# Altium PCB Microcontroller Board.PcbDoc
Units mm, origin at the board's own origin, x right, y up, seen from the top; angles counter-clockwise.
Board outline 32 x 84 mm, 4 copper layers (Top Layer, GND, +3V3, Bottom Layer), stack 1.525 mm thick; 61 components, 53 nets, 253 pads, 253 vias.
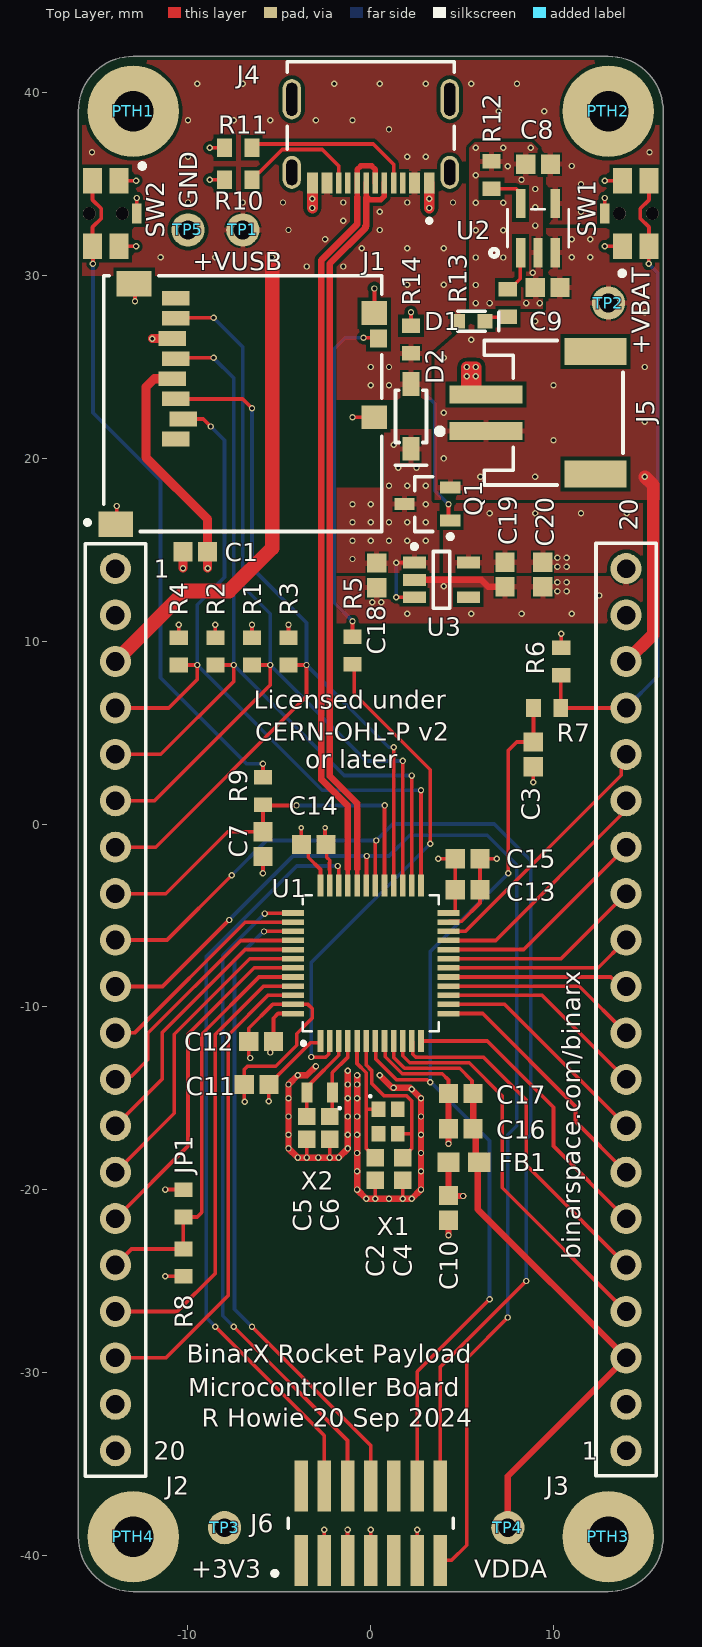
[diagram p0: Top Layer view]
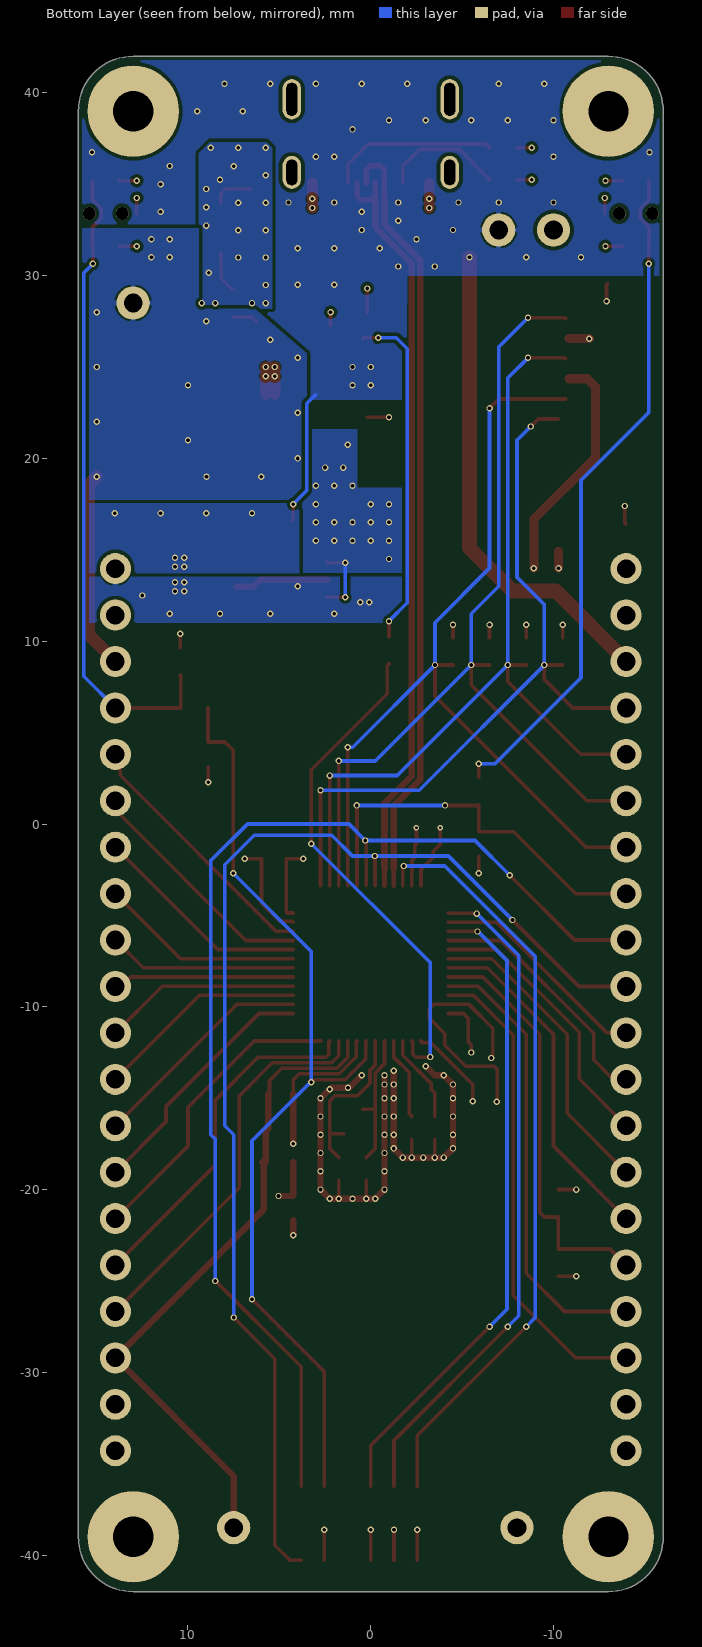
[diagram p1: Bottom Layer view, seen from below]
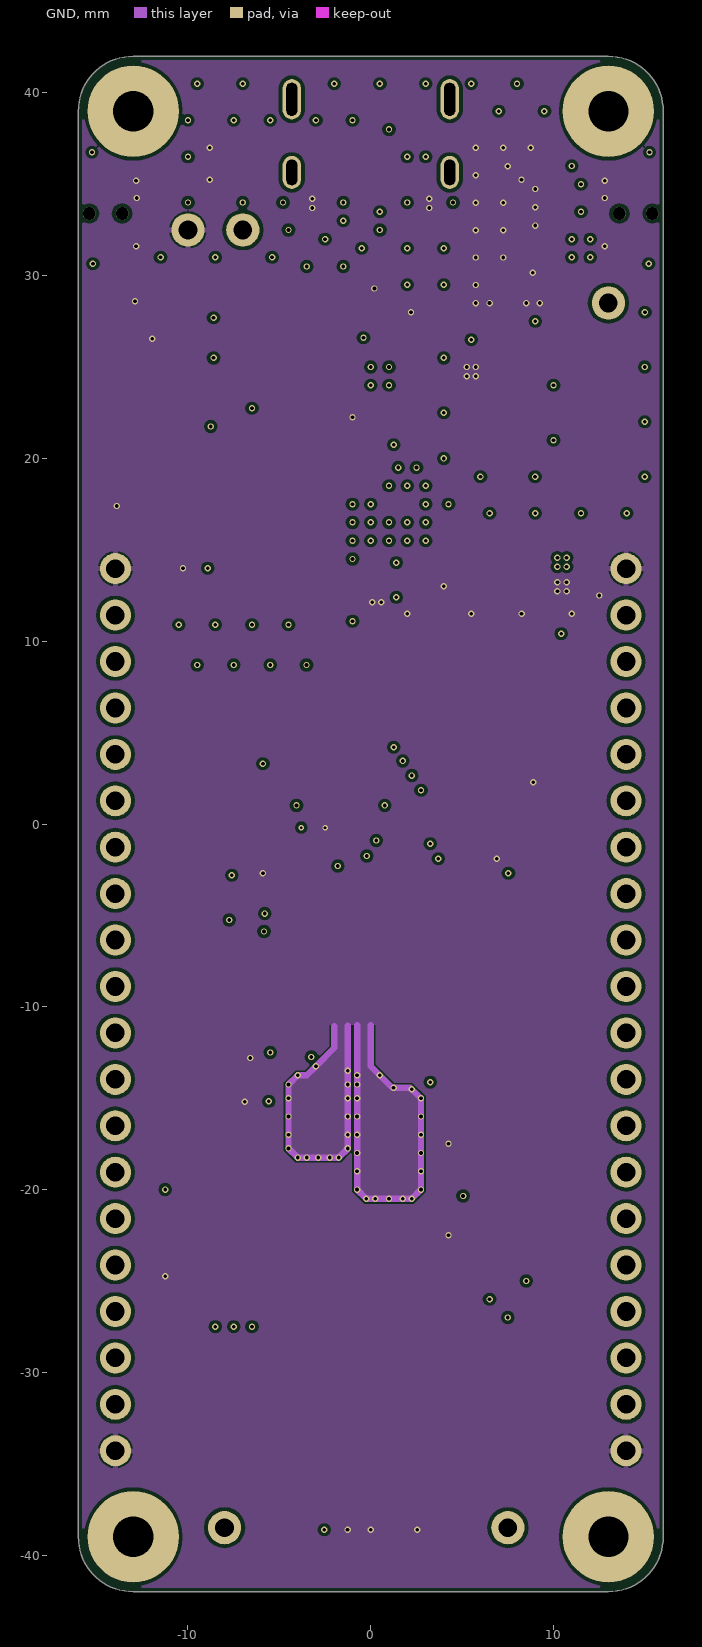
[diagram p2: GND]
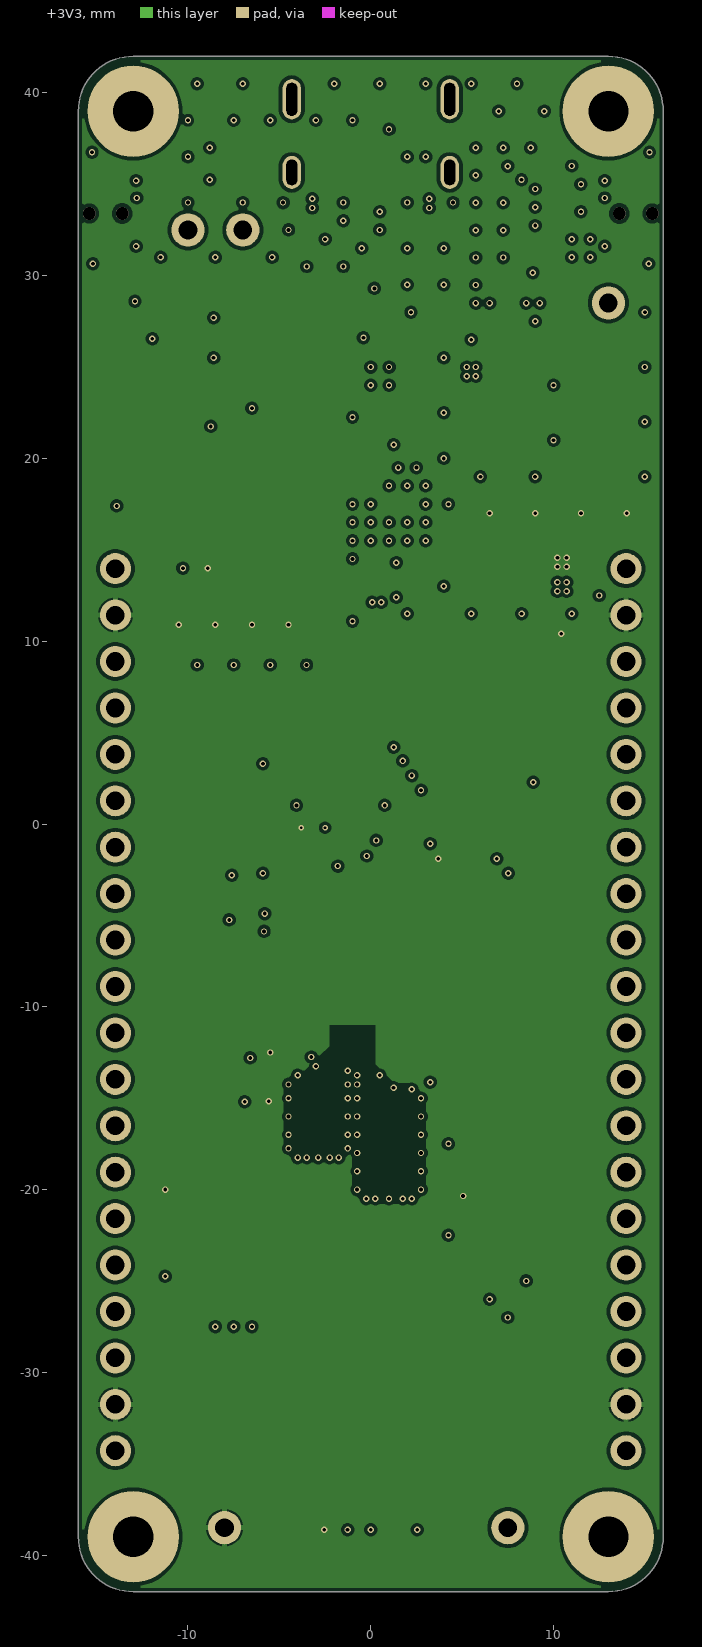
[diagram p3: +3V3]
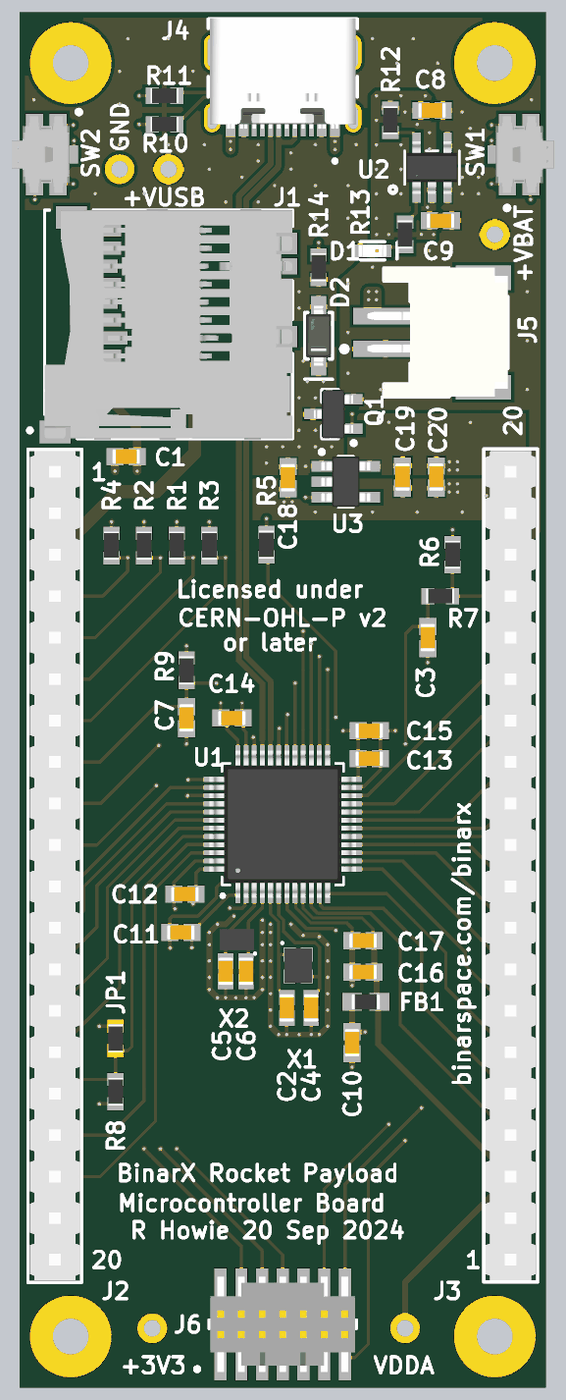
[diagram p4: 3D render of the assembled board from above, using the file's embedded part models]

## Layer stack, top to bottom
Top Solder: solder mask 0.0102, Solder Resist, Dk 3.5
Top Layer: signal copper 0.035
Dielectric 2: prepreg 0.11, PP-006, Dk 4.3
GND: signal copper 0.0175
Dielectric 1: dielectric 1.2, FR-4, Dk 4.8
+3V3: signal copper 0.0175
Dielectric 3: prepreg 0.11, PP-006, Dk 4.3
Bottom Layer: signal copper 0.035
Bottom Solder: solder mask 0.0102, Solder Resist, Dk 3.5

## Board outline
-16,-39 -16,39 cw(c-13,39) -13,42 13,42 cw(c13,39) 16,39 16,-39 cw(c13,-39) 13,-42 -13,-42 cw(c-13,-39)

## Design rules (kind name [scope] priority, off if disabled: settings)
BoardOutlineClearance [All] p1: gap=0.2 ignorepadtopadclearanceinfootprint=FALSE
Clearance [All] p1: gap=0.2 ignorepadtopadclearanceinfootprint=TRUE except(0: Arc-Text Track-Text SMDPad-Text THPad-Text Via-Text Fill-Text Poly-Text Region-Text Text-Text; 0.1: Arc-Arc Arc-Track Track-Track; 0.127: SMDPad-SMDPad; 0.179: Arc-Via Track-Via SMDPad-Via THPad-Via Via-Via Via-Fill Via-Poly Via-Region)
DiffPairsRouting [All] p1: maxlimit=0.2 minlimit=0.09 mostfreqgap=0.1 toplayer_minwidth=0.09 toplayer_maxwidth=0.5 toplayer_prefwidth=0.36 midlayer1_minwidth=0.09 midlayer1_maxwidth=0.5 midlayer1_prefwidth=0.36 midlayer2_minwidth=0.09 midlayer2_maxwidth=0.5 midlayer2_prefwidth=0.36 bottomlayer_minwidth=0.09 bottomlayer_maxwidth=0.5 bottomlayer_prefwidth=0.36 maxuncoupledlength=12.7
HoleSize [All] p1: absolutevalues=TRUE maxlimit=6.3 minlimit=0.15 maxpercent=80.000 minpercent=20.000
MinimumAnnularRing [All] p1: minimumring=0.05
MinimumSolderMaskSliver [All] p1: minsoldermaskwidth=0.098
PolygonConnect [All] p1: thpad.connectstyle=Relief thpad.reliefconductorwidth=0.3 thpad.reliefentries=4 thpad.polygonreliefangle="90 Angle" thpad.airgapwidth=0.1 smdpad.connectstyle=Relief smdpad.reliefconductorwidth=0.3 smdpad.reliefentries=4 smdpad.polygonreliefangle="90 Angle" smdpad.airgapwidth=0.1 via.connectstyle=Direct via.reliefconductorwidth=0.254 via.reliefentries=4 via.polygonreliefangle="90 Angle" via.airgapwidth=0.254
RoutingVias [All] p1: holewidth=0.2 width=0.35 viastyle="Through Hole" minholewidth=0.15 minwidth=0.25 maxholewidth=6.3 maxwidth=8
SilkToSilkClearance [All] p1: silktosilkclearance=0.1
SilkToSolderMaskClearance [IsPad] p1: minsilkscreentomaskgap=0 clearancetoexposedcopper=TRUE
SolderMaskExpansion "Tent Vias" [IsVia] p1: expansion=0.102 istentingtop=TRUE
SolderMaskExpansion [All] p2: expansion=0.038 istentingtop=FALSE
SupplyNets "Schematic Supply Nets_4" [InNet('GND')] p1: voltage=0.000
SupplyNets "Schematic Supply Nets_3" [InNet('+3V3')] p2: voltage=0.000
SupplyNets "Schematic Supply Nets_2" [InNet('+VBAT')] p3: voltage=0.000
SupplyNets "Schematic Supply Nets_1" [InNet('+VUSB')] p4: voltage=0.000
SupplyNets "Schematic Supply Nets" [InNet('VDDA')] p5: voltage=0.000
Width [All] p1: maxlimit=2 minlimit=0.1 preferedwidth=0.2 minimp=50.000000 maximp=50.000000 favimp=50.000000
25 further rules are at their usual default settings.

## Classes and differential pairs
differential pair USB_D: +USB_D_P -USB_D_N

## Components (designator, comment, footprint, x,y, rotation, side; value= is the part's Value field where it differs from the comment)
C1 "10 uF +/- 10% 16 V 0603" CAPC1608X90X40ML10T20 -9.6,14.9 r0 top value=10µF
C2 "Capacitor 8.2 pF 10% 50 V 0603" CAPC1608X90X40NL10T20 0.25,-18.875 r270 top value=8.2pF
C3 "Capacitor 100 nF +/-10% 50 V 0603" CAPC1608X90X40ML10T20 8.89,3.81 r90 top value=100nF
C4 "Capacitor 8.2 pF 10% 50 V 0603" CAPC1608X90X40NL10T20 1.75,-18.875 r270 top value=8.2pF
C5 "3.9 pF 10% 50 V 0603" CAPC1608X90X40NL10T20 -3.5,-16.625 r90 top value=3.9pF
C6 "3.9 pF 10% 50 V 0603" CAPC1608X90X40NL10T20 -2.25,-16.625 r90 top value=3.9pF
C7 "Capacitor 100 nF +/-10% 50 V 0603" CAPC1608X90X40ML10T20 -5.9,-1.1 r90 top value=100nF
C8 "10 uF +/- 10% 16 V 0603" CAPC1608X90X40ML10T20 9.15,36.1 r0 top value=10µF
C9 "10 uF +/- 10% 16 V 0603" CAPC1608X90X40ML10T20 9.675,29.35 r0 top value=10µF
C10 "Capacitor 1 uF +/- 10% 25 V 0603" CAPC1608X90X40ML10T20 4.25,-21 r90 top value=1µF
C11 "Capacitor 100 nF +/-10% 50 V 0603" CAPC1608X90X40ML10T20 -6.25,-14.25 r0 top value=100nF
C12 "Capacitor 100 nF +/-10% 50 V 0603" CAPC1608X90X40ML10T20 -6,-11.9 r0 top value=100nF
C13 "Capacitor 100 nF +/-10% 50 V 0603" CAPC1608X90X40ML10T20 5.3,-3.6 r180 top value=100nF
C14 "Capacitor 100 nF +/-10% 50 V 0603" CAPC1608X90X40ML10T20 -3.12,-1.12 r180 top value=100nF
C15 "10 uF +/- 10% 16 V 0603" CAPC1608X90X40ML10T20 5.3,-1.9 r180 top value=10µF
C16 "Capacitor 1 uF +/- 10% 25 V 0603" CAPC1608X90X40ML10T20 4.925,-16.675 r0 top value=1µF
C17 "Capacitor 10 nF +/-10% 50 V 0603" CAPC1608X90X40ML10T20 4.925,-14.75 r180 top value=10nF
C18 "Capacitor 1 uF +/- 10% 25 V 0603" CAPC1608X90X40ML10T20 0.325,13.6 r90 top value=1µF
C19 "Capacitor 1 uF +/- 10% 25 V 0603" CAPC1608X90X40ML10T20 7.35,13.65 r90 top value=1µF
C20 "10 uF +/- 10% 16 V 0603" CAPC1608X90X40ML10T20 9.412,13.65 r90 top value=10µF
D1 "LSL29K-G1J2-1-Z" FP-LS_L29K-MFG 5.5,27.5 r180 top
D2 "B0540W-7-F" FP-SOD123-MFG 2.2,22.3 r90 top
FB1 "LAMGL160808T471RD" INDC1608X10M 5.09,-18.5 r0 top
J1 "47352-1001" MOLX-473521001_V -7,23 r270 top locked
J2 "CES-120-01-T-S" SAMTEC-CES-120-01-X-S -13.97,-10.16 r270 top
J3 "CES-120-01-T-S" SAMTEC-CES-120-01-X-S 13.97,-10.16 r90 top
J4 "217179-0001" FP-217179-0001-MFG 0,38.5 r180 top locked
J5 "S2B-PH-SM4-TB" "JST- S2B-PH-SM4-TB(LF)(SN)-2_V" 10,22.5 r90 top
J6 "STDC14" FP-FTSH-107-01-L-DV-K 0,-38.25 r0 top locked
JP1 "Jumper 0603" RESC1608X55X25ML10T15#1 -10.25,-20.75 r90 top value=0
PTH1 "PTH-M2x5mm" PTH-M2 -13,39 r0 top locked
PTH2 "PTH-M2x5mm" PTH-M2 13,39 r0 top locked
PTH3 "PTH-M2x5mm" PTH-M2 13,-39 r0 top locked
PTH4 "PTH-M2x5mm" PTH-M2 -13,-39 r0 top locked
Q1 "DMP2045U-7" SOT90P235X110-3M 3.1,17.5 r180 top
R1 "Resistor 47k +/-1% 0603 100 mW" RESC1608X55X25ML10T15#2 -6.5,9.45 r90 top value=47k
R2 "Resistor 47k +/-1% 0603 100 mW" RESC1608X55X25ML10T15#2 -8.5,9.45 r90 top value=47k
R3 "Resistor 47k +/-1% 0603 100 mW" RESC1608X55X25ML10T15#2 -4.5,9.45 r90 top value=47k
R4 "Resistor 47k +/-1% 0603 100 mW" RESC1608X55X25ML10T15#2 -10.5,9.45 r90 top value=47k
R5 "Resistor 620 +/-1% 0603 100 mW" RESC1608X55X25ML10T15#2 -1,9.5 r270 top value=620
R6 "Resistor 10k +/-1% 0603 100 mW" RESC1608X55X25ML10T15#2 10.414,8.89 r90 top value=10k
R7 "Resistor 620 +/-1% 0603 100 mW" RESC1608X55X25ML10T15#2 9.652,6.35 r180 top value=620
R8 "Resistor 10k +/-1% 0603 100 mW" RESC1608X55X25ML10T15#2 -10.25,-24 r90 top value=10k
R9 "Resistor 620 +/-1% 0603 100 mW" RESC1608X55X25ML10T15#2 -5.9,1.8 r270 top value=620
R10 "Resistor 5k1 +/-1% 0603 100 mW" RESC1608X55X25ML10T15#2 -7.25,35.25 r0 top value=5.1k
R11 "Resistor 5k1 +/-1% 0603 100 mW" RESC1608X55X25ML10T15#2 -7.25,37 r0 top value=5.1k
R12 "Resistor 5k1 +/-1% 0603 100 mW" RESC1608X55X25ML10T15#2 6.6,35.5 r270 top value=5.1k
R13 "Resistor 3.3k +/-1% 0603 100 mW" RESC1608X55X25ML10T15#2 7.5,28.5 r90 top value=3.3k
R14 "Resistor 100k +/-1% 0603 100 mW" RESC1608X55X25ML10T15#2 2.2,26.5 r270 top value=100k
SW1 "PTS840GKPSMTRLFS" FP-PTS840_GKP_SMTR_LFS-MFG 14.5,33.4 r90 top locked
SW2 "PTS840GKPSMTRLFS" FP-PTS840_GKP_SMTR_LFS-MFG -14.5,33.4 r270 top
TP1 "TP-TH" "1 Pin Header Strip Footprint" -7,32.5 r0 top
TP2 "TP-TH" "1 Pin Header Strip Footprint" 13,28.5 r90 top
TP3 "TP-TH" "1 Pin Header Strip Footprint" -8,-38.5 r90 top
TP4 "TP-TH" "1 Pin Header Strip Footprint" 7.5,-38.5 r90 top
TP5 "TP-TH" "1 Pin Header Strip Footprint" -10,32.5 r90 top
U1 "STM32L433CBT7" LQFP48-7x7mm 0,-7.62 r90 top locked
U2 "MCP73831T-2ACIOT" SOT-23-5_MC_MCH-M 9.15,32.6 r90 top
U3 "AP2112K-3.3TRG1" SOT-23-5 3.865,13.356 r0 top
X1 "ECS-160-10-37B2-CTN-TR" DFN135P200X50-4N 0.95,-16.275 r270 top
X2 "ECS-.327-6-12-TR" DFN120P200X60-2N -2.8,-14.7 r180 top

## Footprints (in the part's own frame and the unit in brackets; to place one, negate y for a bottom-side part, rotate by r counter-clockwise, add the part's x,y. Pads: shape width x height; smd on the part's side, far side on the other; paste and mask are expansions set on the pad)
"1 Pin Header Strip Footprint" [mm]
  round 1.82 hole 1.02: 1(0,0)
CAPC1608X90X40ML10T20 [mm] "Chip Capacitor, 2-Leads, Body 1.70x0.90mm, IPC Low Density"
  rect 1.05x1.05 smd: 1(-0.675,0) 2(0.675,0)
  body extent -0.85,-0.45 0.85,0.45, height 0.9
CAPC1608X90X40NL10T20 [mm] "Chip Capacitor, 2-Leads, Body 1.70x0.90mm, IPC Medium Density"
  rect 0.95x0.95 smd: 1(-0.625,0) 2(0.625,0)
  body extent -0.85,-0.45 0.85,0.45, height 0.9
DFN120P200X60-2N [mm] "DFN, 2-Leads, Body 1.20x2.00mm, Pitch 1.20mm, IPC Medium Density"
  rect 0.6x1.1 smd: 1(-0.7,0) 2(0.7,0)
  silkscreen extent -1.18,0.77 -1.02,0.93, body extent -1.05,-0.65 1.05,0.65, height 0.6
DFN135P200X50-4N [mm] "DFN, 4-Leads, Body 1.60x2.00mm, Pitch 1.35mm, IPC Medium Density"
  rect 0.85x0.75 smd: 1(-0.675,-0.525) 2(0.675,-0.525) 3(0.675,0.525) 4(-0.675,0.525)
  silkscreen extent -1.45,-1.05 -1.3,-0.9, body extent -1.05,-0.85 1.05,0.85, height 0.5
FP-217179-0001-MFG [mm]
  rrect100% 1x1.8 hole 1.4 slot 0.6 at 0 deg: 1(-4.32,2.85) 2(4.32,2.85)
  rrect100% 1x2.2 hole 1.8 slot 0.6 at 0 deg: 3(-4.32,-1.15) 4(4.32,-1.15)
  rect 0.6x1.15 smd: A1-B12(-3.2,3.425) A4-B9(-2.4,3.425) B1-A12(3.2,3.425) B4-A9(2.4,3.425)
  rect 0.3x1.15 smd: A5(-1.25,3.425) A6(-0.25,3.425) A7(0.25,3.425) A8(1.25,3.425) B5(1.75,3.425) B6(0.75,3.425) B7(-0.75,3.425) B8(-1.75,3.425)
  silkscreen extent -4.57,-3.2 4.57,5.6, body extent -4.92,-3.45 4.92,4.1, height 0.25
FP-FTSH-107-01-L-DV-K [mm]
  rect 0.74x2.79 smd: 1(-3.81,-2.035) 2(-3.81,2.035) 3(-2.54,-2.035) 4(-2.54,2.035) 5(-1.27,-2.035) 6(-1.27,2.035) 7(0,-2.035) 8(0,2.035) 9(1.27,-2.035) 10(1.27,2.035) 11(2.54,-2.035) 12(2.54,2.035) 13(3.81,-2.035) 14(3.81,2.035)
  silkscreen extent -5.37,-2.87 4.51,0.27, body extent -4.61,-3.53 4.61,3.53, height 0.25
FP-LS_L29K-MFG [mm]
  rect 0.8x0.8 smd: 1(-0.75,0) 2(0.75,0)
  silkscreen extent -1.5,-0.55 0.75,0.55, body extent -1.25,-0.55 1.25,0.55, height 0.25
FP-PTS840_GKP_SMTR_LFS-MFG [mm]
  rect 1.4x1.05 smd: 1(-1.8,0.725) 2(1.8,0.725) 3(-1.8,-0.725) 4(1.8,-0.725)
  rect 1.1x0.5 smd: 5(0,1.7)
  round 0.7 hole 0.7 unplated: ""(0,0.9) ""(0,-0.9)
  silkscreen extent -3.41,0.61 -3.14,0.89, body extent -2.35,-2.1 2.35,1.45, height 1.4
FP-SOD123-MFG [mm]
  rect 1.3x0.95 smd: 1(-1.775,0) 2(1.775,0)
  silkscreen extent -2.67,-0.85 1.43,0.85, body extent -2.12,-0.95 2.12,0.95, height 0.25
INDC1608X10M [mm] "Chip Inductor, 2-Leads, Body 1.60x0.80mm, IPC Low Density"
  rect 1.22x1.08 smd: 1(-0.84,0) 2(0.84,0)
  body extent -0.87,-0.48 0.87,0.48, height 0.95
"JST- S2B-PH-SM4-TB(LF)(SN)-2_V" [mm] "SMD, 2-Leads, Body 7.9x7.6mm, Pitch 2mm"
  rect 1x4 smd: 1(-1,3.7) 2(1,3.7)
  rect 1.5x3.4 smd: MNT1(-3.35,-2.3) MNT2(3.35,-2.3)
  silkscreen extent -3.95,-3.8 3.95,6.42, body extent -3.94,-3.79 3.96,4.81, height 5.61
LQFP48-7x7mm [mm]
  rect 1.194x0.305 smd: 1(-4.25,2.75) 2(-4.25,2.25) 3(-4.25,1.75) 4(-4.25,1.25) 5(-4.25,0.75) 6(-4.25,0.25) 7(-4.25,-0.25) 8(-4.25,-0.75) 9(-4.25,-1.25) 10(-4.25,-1.75) 11(-4.25,-2.25) 12(-4.25,-2.75) 25(4.25,-2.75) 26(4.25,-2.25) 27(4.25,-1.75) 28(4.25,-1.25) 29(4.25,-0.75) 30(4.25,-0.25) 31(4.25,0.25) 32(4.25,0.75) 33(4.25,1.25) 34(4.25,1.75) 35(4.25,2.25) 36(4.25,2.75)
  rect 0.305x1.194 smd: 13(-2.75,-4.25) 14(-2.25,-4.25) 15(-1.75,-4.25) 16(-1.25,-4.25) 17(-0.75,-4.25) 18(-0.25,-4.25) 19(0.25,-4.25) 20(0.75,-4.25) 21(1.25,-4.25) 22(1.75,-4.25) 23(2.25,-4.25) 24(2.75,-4.25) 37(2.75,4.25) 38(2.25,4.25) 39(1.75,4.25) 40(1.25,4.25) 41(0.75,4.25) 42(0.25,4.25) 43(-0.25,4.25) 44(-0.75,4.25) 45(-1.25,4.25) 46(-1.75,4.25) 47(-2.25,4.25) 48(-2.75,4.25)
  silkscreen extent -4.51,-3.72 3.72,3.81, body extent -4.5,-4.5 4.5,4.5, height 1.6
MOLX-473521001_V [mm] "SMD, 8-Leads, Body 15.2x14mm, Pitch 1.1mm"
  rect 0.8x1.5 smd: 1(1.94,-3.66) 2(0.84,-3.26) 3(-0.26,-3.66) 4(-1.36,-3.86) 5(-2.46,-3.66) 6(-3.56,-3.86) 7(-4.66,-3.66) 8(-5.76,-3.66)
  rect 1x0.95 smd: 9(-3.56,7.425)
  rect 1.3x1.4 smd: 10(-4.95,7.2) 11(0.75,7.2)
  rect 1.4x1.9 smd: 12(6.6,-6.95) 13(-6.55,-5.95)
  silkscreen extent -7,-8.62 7,7.6, body extent -7.05,-7.6 7.05,7.6, height 1.85
PTH-M2 [mm] "M2 Clearance (2.2 mm) Plated Through Hole, 6mm Diameter Pad"
  round 5 hole 2.2: 1(0,0)
RESC1608X55X25ML10T15#1 [mm] "Chip Resistor, 2-Leads, Body 1.70x0.90mm, IPC Low Density"
  rect 0.8x1 smd paste-2: 1(-0.75,0) 2(0.75,0)
  body extent -0.85,-0.45 0.85,0.45, height 0.55
RESC1608X55X25ML10T15#2 [mm] "Chip Resistor, 2-Leads, Body 1.70x0.90mm, IPC Low Density"
  rect 0.8x1 smd: 1(-0.75,0) 2(0.75,0)
  body extent -0.85,-0.45 0.85,0.45, height 0.55
SAMTEC-CES-120-01-X-S [mm]
  round 1.7 hole 1.02: 1(-24.13,0) 2(-21.59,0) 3(-19.05,0) 4(-16.51,0) 5(-13.97,0) 6(-11.43,0) 7(-8.89,0) 8(-6.35,0) 9(-3.81,0) 10(-1.27,0) 11(1.27,0) 12(3.81,0) 13(6.35,0) 14(8.89,0) 15(11.43,0) 16(13.97,0) 17(16.51,0) 18(19.05,0) 19(21.59,0) 20(24.13,0)
  silkscreen extent -25.5,-1.65 25.53,1.65, body extent -25.4,-1.52 25.4,1.52, height 5.08
SOT90P235X110-3M [mm] "SOT23, 3-Leads, Body 2.90x2.35mm, Pitch 0.90mm, IPC Low Density"
  rect 1.1x0.65 smd: D(1.25,0) G(-1.25,0.9) S(-1.25,-0.9)
  silkscreen extent -1.38,-1.5 0.7,1.9, body extent -1.2,-1.5 1.2,1.5, height 1.1
SOT-23-5 [mm] "SOT23, 5-Leads, Body 3.00x2.85mm, Pitch 0.95mm, IPC Low Density"
  rect 1.25x0.65 smd: 1(-1.475,0.95) 2(-1.475,0) 3(-1.475,-0.95) 4(1.475,-0.95) 5(1.475,0.95)
  silkscreen extent -1.6,-1.55 0.45,1.95, body extent -1.5,-1.55 1.5,1.55, height 1.4
SOT-23-5_MC_MCH-M [mil]
  rect 63.37x20 smd: 1(-52.97,37.4) 2(-52.97,0) 3(-52.97,-37.4) 4(52.97,-37.4) 5(52.97,37.4)
  silkscreen extent -61,-66 41,102, body extent -63,-61 63,61, height 57
